# KiCad board SONATA-ONE.kicad_pcb (continued)
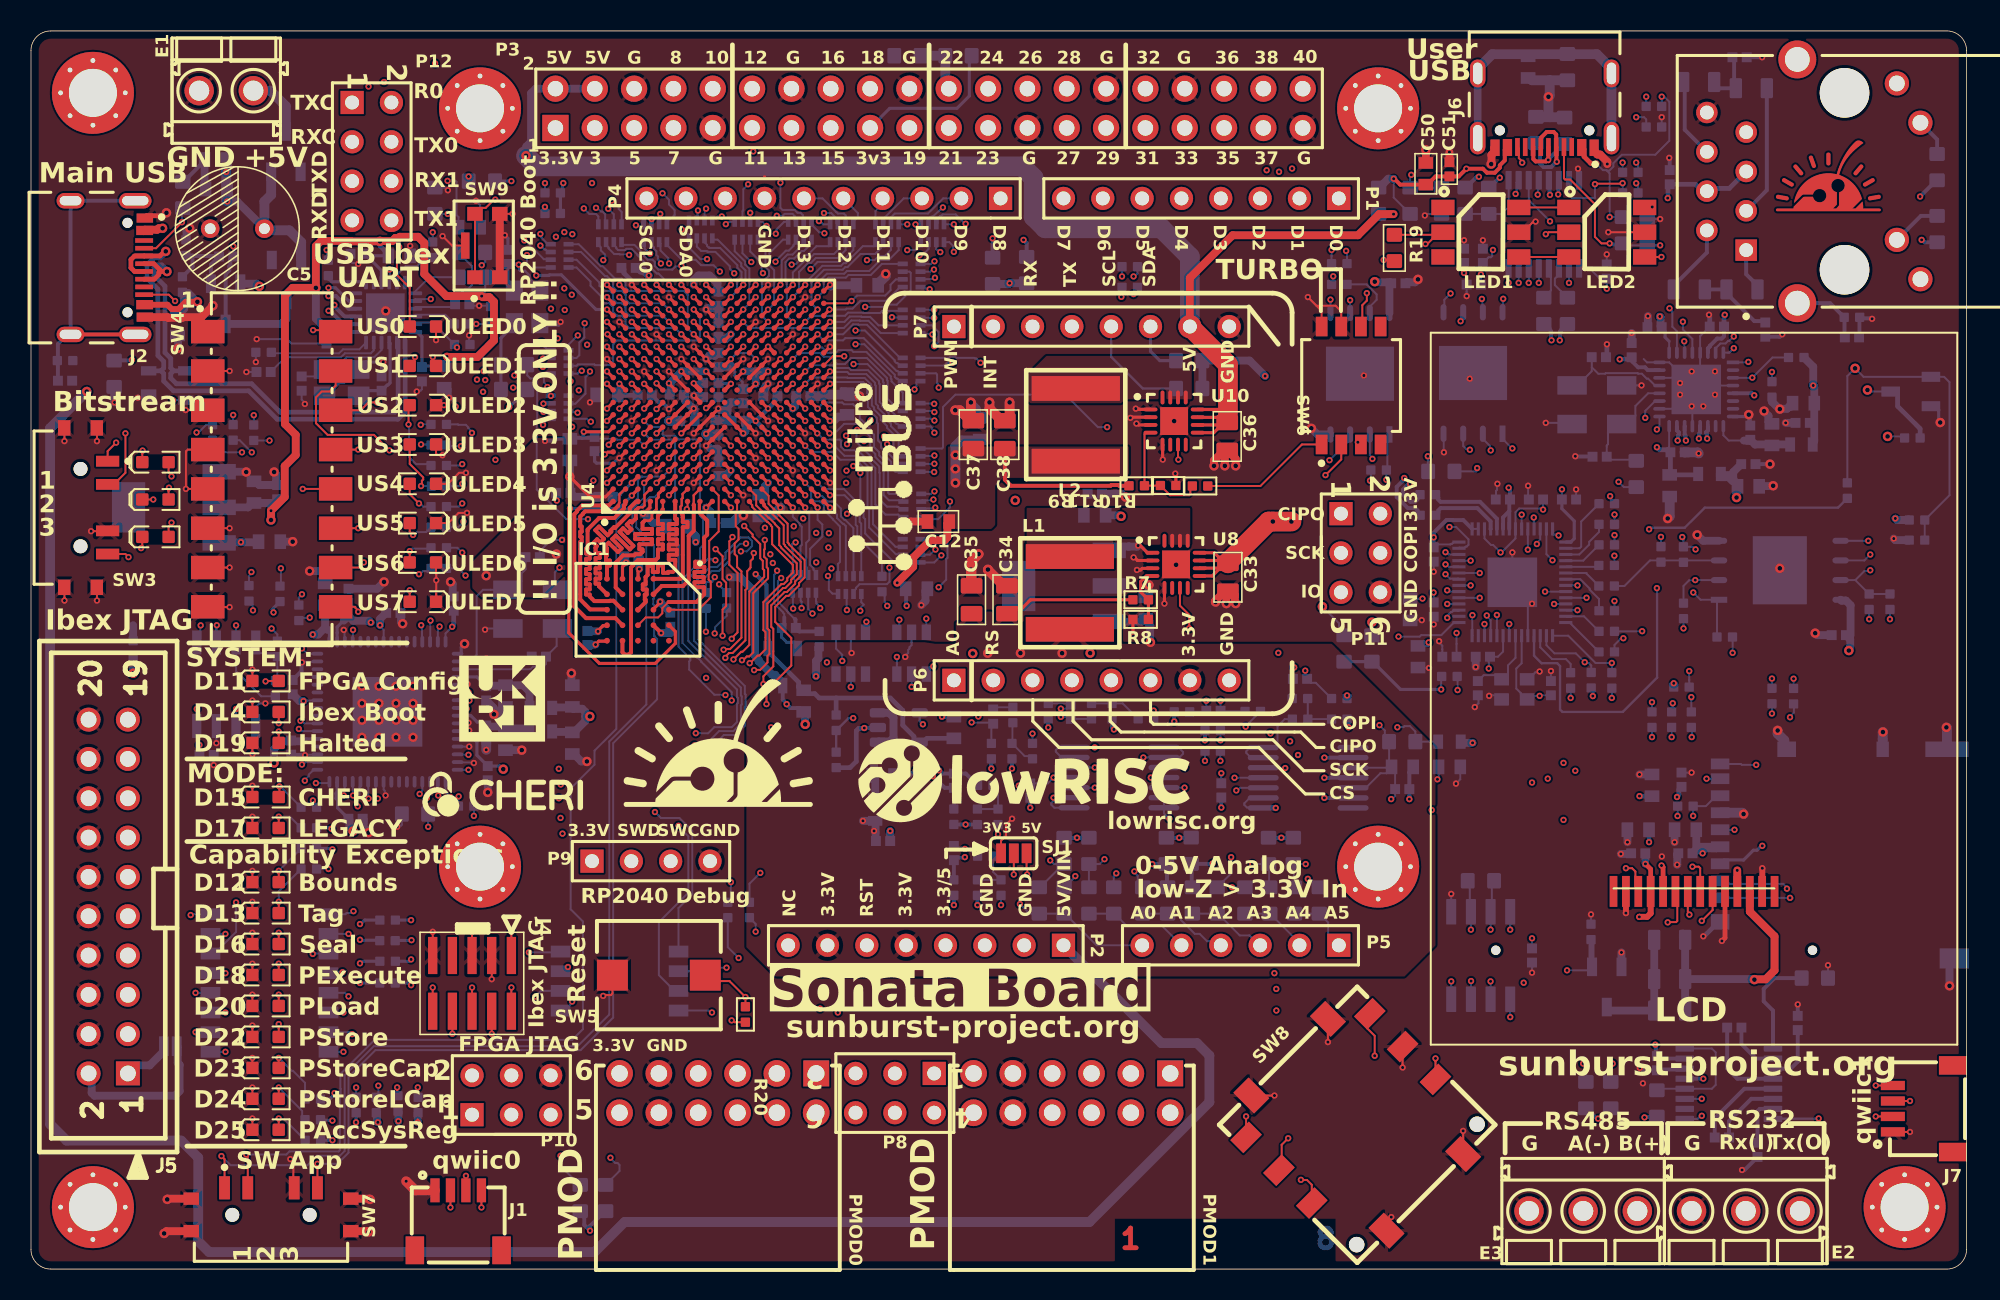
[diagram p0: board, top side]
## Routing (per net, layer and track width the routed paths; a pad name or vN(x,y) marks a point on that pad's centre or on a via; arc(x,y) is an arc through that point) (continued)
VCCOPAMP: length 52.5
  In3.Cu w0.508: v2(66.04,31.76) 69.6,31.76 70.18,31.17 73.74,31.17 74.26,31.69 74.61,31.69 74.96,32.04 v2(76.87,32.04) 78.9,32.04 ; 78.9,32.04 79.76,32.04 82.2,29.6 84.5,29.6 85.26,30.36 v2(87.84,30.36) ; 78.9,32.04 79.2,32.34 79.2,34.9 80.1,35.8 86.43,35.8 v2(87.08,35.14)
  Bottom w0.127: v2(77.73,31.74) U21.4 ; v2(87.08,35.14) 87.43,34.8 87.43,34.35 R82.2 87.71,32.61 C101.1 ; v2(63.79,31.23) 63.87,31.23 64.01,31.38 C97.1 65.66,31.38 v2(66.04,31.76) U20.4 ; v2(87.84,30.36) 87.91,30.36 88.1,30.55 88.1,32.22 C101.1 ; C101.1 87.86,32.35 87.55,32.04 87.15,32.04 86.2,31.09 U21.12 ; C101.1 87.81,32.39 U21.10 ; C99.1 v2(76.87,32.04)
VCCUSB3V3: length 167.4
  Top w0.508: v2(26.87,58.96) 26.9,58.93 28.83,58.93 29.9,60 29.9,62.5 29.6,62.8 29.18,62.8 v2(29.11,62.87) 26.83,62.87 25.4,64.3 25.4,66.3 25,66.7 23.82,66.7 23.75,66.63 23.54,66.63 23.33,66.42 22.56,66.42 v1(22.54,66.4) 20.69,66.4 20.67,66.43 18.73,66.43 18.4,66.1 v1(18.4,63.4) 16.9,63.4 16.4,62.9 16.4,54.6 17.1,53.9 17.1,52.6 16.39,51.89 16.39,49.89 v2(15.5,49) v1(15.5,48.4)
  In1.Cu w0.127: v1(22.54,66.4) 22.54,67.17 22.34,67.37 22.34,73.74 23.04,74.44 23.67,74.44 26.1,76.87 v2(26.1,77.9)
  In6.Cu w0.127: v2(93.39,51.76) 93.39,52.5 93.32,52.58 93.32,57.85 92.72,58.45 92.72,61.41 91.16,62.97 91.16,63.49 86.85,67.8 83.8,67.8 83.3,68.3 83.3,70.5 81.09,72.71 81.09,74.06 80.13,75.02 79.36,75.02 78.48,75.91 78.48,76.68 77.31,77.84 30.54,77.84 30.28,78.09 26.4,78.09 26.21,77.9 v2(26.1,77.9)
  In6.Cu w0.508: v2(29.11,62.87) v2(29.11,64.86)
  Bottom w0.127: v2(93.39,51.76) 93.34,51.71 93.34,51.54 R15.1 ; v2(29.11,62.87) 29.11,62.94 29.34,63.18 R18.1 ; R72.2 29.34,65.07 29.13,64.86 v2(29.11,64.86)
  Bottom w0.203: C44.1 19.26,60.55 U12.1 ; C42.1 25.32,58.35 C43.1 25.25,60.24 24.82,60.66 ; C46.1 21.68,65.47 ; 21.68,65.47 C45.1 ; 21.68,65.47 22.62,64.53 22.62,63.85 22.68,63.79 ; v2(26.87,58.96) 26.87,58.53 26.69,58.36
  Bottom w0.305: C45.1 23.09,65.57 22.54,66.12 v1(22.54,66.4)
  Bottom w0.508: R203.2 6.6,41.6 ; v1(15.5,48.4) 15.52,48.42 15.52,49.36 15.66,49.5 ; 15.66,49.5 C41.1 14.3,49.5 14.02,49.22 U2.2 ; 15.66,49.5 C40.1 ; v1(18.4,63.4) 18.4,61.41 C44.1
/AH_AN0: length 25.2
  In4.Cu w0.127: v2(63.87,23.59) 63.87,24.54 59.6,28.81 P6.1
  Bottom w0.127: P5.6 68.82,20.92 66.77,22.97 R77.1 R75.1 64.49,22.97 v2(63.87,23.59)
/AH_AN1: length 6.8
  Bottom w0.127: P5.5 73.05,22.17 70.77,22.17 69.97,22.97 R83.1 R84.1
/AH_AN2: length 6
  Bottom w0.127: P5.4 76.58,21.18 75.95,21.18 75.48,21.66 75.16,21.66 74.26,22.55 74.26,22.74 74.04,22.97 R91.1 R89.1
/AH_AN3: length 5.2
  Bottom w0.127: P5.3 79.32,20.92 78.69,21.56 78.06,21.56 76.66,22.97 R97.1 R98.1
/AH_AN4: length 4.6
  Bottom w0.127: 78.29,23.07 R104.1 R105.1 80.02,22.97 81.92,21.07 P5.2
/AH_AN5: length 4.2
  Bottom w0.127: R112.1 R111.1 83.23,22.97 83.61,22.58 83.61,22.56 83.77,22.39 83.77,21.61 P5.1
/Analog Conversion/ANALOG0_N: length 64.8
  Top w0.203: v2(38.8,52.4) U4.C5
  In1.Cu w0.127: v2(38.8,52.4) 39.19,52.79 39.19,54.96 38.96,55.19 36.04,55.19 35.59,54.75 35.43,54.75 35.36,54.82 34.78,54.82 34.76,54.79 34.44,54.79 33.8,54.16 32.76,54.16 29.99,51.39 29.99,37.92 33.57,34.34 34.4,34.34 34.43,34.37 34.93,34.37 35.36,33.94 35.66,33.94 38.74,30.86 56.04,30.86 60.29,26.61 v2(60.31,26.61)
  Bottom w0.254: v2(60.31,26.61) 60.28,26.58 59.76,26.58 C98.2 R81.2
/Analog Conversion/ANALOG0_P: length 61.1
  Top w0.203: v2(38.8,53.2) U4.C6
  In1.Cu w0.127: v2(38.8,53.2) 38.41,53.59 38.41,54.15 38.16,54.39 36.7,54.39 36.61,54.31 36.05,54.31 35.86,54.49 35.54,54.49 35.31,54.26 35.31,54.15 35.16,54.01 34.85,54.01 34.75,53.9 32.86,53.9 30.25,51.29 30.25,38.02 33.67,34.6 34.29,34.6 34.33,34.63 35.03,34.63 35.47,34.2 35.76,34.2 38.84,31.12 56.34,31.12 v2(60.31,27.15)
  Bottom w0.254: R79.2 60.67,27.15 v2(60.31,27.15) 60.28,27.18 59.76,27.18 C98.1
/Analog Conversion/ANALOG1_N: length 54.3
  Top w0.203: v2(38,53.2) U4.B6
  In1.Cu w0.127: v2(58.24,31.85) 57.32,31.85 57.1,31.63 39.05,31.63 35.97,34.7 35.68,34.7 35.24,35.14 34.12,35.14 34.08,35.1 33.88,35.1 30.75,38.23 30.75,49.29 34.17,52.71 34.28,52.71 35.06,53.5 35.39,53.5 35.43,53.45 35.97,53.45 36.01,53.5 36.06,53.5 36.22,53.65 37.55,53.65 v2(38,53.2)
  Bottom w0.254: R90.2 C103.2 59.01,31.09 58.26,31.85 v2(58.24,31.85)
/Analog Conversion/ANALOG1_P: length 55.8
  Top w0.203: v2(38,54) U4.B7
  In1.Cu w0.127: v2(58.63,32.22) 58.63,31.68 58.32,31.37 38.95,31.37 35.87,34.45 35.57,34.45 35.14,34.88 34.22,34.88 34.19,34.85 33.78,34.85 30.5,38.13 30.5,49.4 34.07,52.97 34.17,52.97 34.96,53.75 35.49,53.75 35.54,53.71 35.86,53.71 36.16,54 v2(38,54)
  Bottom w0.254: R86.2 60.37,32.01 C103.1 58.89,32.01 58.68,32.22 v2(58.63,32.22)
/Analog Conversion/ANALOG2_N: length 53.6
  Top w0.203: U4.A5 37.59,52.79 37.25,52.79
  In1.Cu w0.127: v2(37.05,52.64) 34.92,52.64 34.49,52.2 34.38,52.2 31.26,49.08 31.26,38.44 33.66,36.04 35.35,36.04 35.6,35.8 35.6,35.5 35.89,35.21 36.18,35.21 38.11,33.29 43.52,33.29 43.81,33.57 43.87,33.57 43.95,33.65 59.07,33.65 v2(60.75,35.32)
  Bottom w0.127: v2(60.75,35.32) 60.76,35.31 62.07,35.31 C104.2 62.02,35.12 R96.2
/Analog Conversion/ANALOG2_P: length 55.9
  Top w0.203: U4.A6 37.6,53.58 37.31,53.29 v2(37.31,53.26)
  In1.Cu w0.127: v2(61.18,35.7) 61.18,35.2 59.38,33.39 44.05,33.39 43.98,33.32 43.91,33.32 43.63,33.03 38,33.03 36.08,34.96 35.78,34.96 35.34,35.4 35.34,35.69 35.25,35.79 33.55,35.79 31.01,38.34 31.01,49.19 34.28,52.46 34.38,52.46 35.17,53.24 35.28,53.24 35.33,53.2 36.07,53.2 36.12,53.24 36.17,53.24 36.18,53.26 v2(37.31,53.26)
  Bottom w0.127: v2(61.18,35.7) 61.23,35.76 61.23,35.91 61.33,36.01 61.99,36.01 62.28,36.3 R93.2
/Analog Conversion/ANALOG3_N: length 46.8
  Top w0.203: v2(40.4,52.4) U4.E5
  In1.Cu w0.127: v2(75.9,36.72) 75.9,38.31 74.4,39.81 73.69,39.81 72.19,41.31 55.81,41.31 54.15,42.97 51.7,42.97 48.65,46.02 48.65,46.07 48.42,46.3 48.19,46.3 47.91,46.58 47.03,46.58 46.34,47.27 45.88,47.27 44.51,48.64 44.51,51.24 43.76,51.99 40.81,51.99 v2(40.4,52.4)
  Bottom w0.127: v2(75.9,36.72) C105.2 75.84,36.01 R103.2
/Analog Conversion/ANALOG3_P: length 48.9
  Top w0.203: v2(40.4,53.2) U4.E6
  In1.Cu w0.127: v2(40.4,53.2) 40.81,52.79 43.76,52.79 44.77,51.79 44.77,49.88 45.04,49.61 45.35,49.61 45.59,49.36 45.59,48.99 45.5,48.91 45.5,48.62 45.31,48.43 45.31,48.2 45.99,47.53 46.59,47.53 46.61,47.51 47.55,47.51 47.78,47.27 47.78,47.25 48.48,46.55 48.53,46.55 48.91,46.17 48.91,46.12 51.8,43.23 54.25,43.23 55.92,41.56 72.29,41.56 73.79,40.06 74.51,40.06 76.16,38.41 76.16,37.39 v2(76.82,36.72)
  Bottom w0.127: R100.2 76.86,36.04 C105.1 v2(76.82,36.72)
/Analog Conversion/ANALOG4_N: length 58.5
  Top w0.203: v2(38,51.6) U4.B4
  In1.Cu w0.127: v2(66.51,36.21) 66.13,36.59 56.47,36.59 54.8,38.26 51.22,38.26 50.86,37.91 50.54,37.91 50.18,38.26 49.88,38.26 49.16,37.54 47.96,37.54 47.57,37.15 47.03,37.15 46.64,37.54 46.22,37.54 46.03,37.74 44.58,37.74 44.2,37.36 44.2,37.29 43.73,36.82 40.79,36.82 40.7,36.91 36.6,36.91 36.51,36.82 35.22,36.82 35.09,36.7 34.35,36.7 34.22,36.82 33.94,36.82 32.57,38.19 32.57,38.67 31.77,39.48 31.77,48.87 34.59,51.7 34.7,51.7 34.99,51.99 37.61,51.99 v2(38,51.6)
  Bottom w0.127: v2(66.51,36.21) 66.9,36.21 C106.2 67.08,36.55 R110.2
/Analog Conversion/ANALOG4_P: length 61.1
  Top w0.203: v2(38.8,51.6) U4.C4
  In1.Cu w0.127: v2(38.8,51.6) 38.41,51.99 38.41,52.55 38.16,52.79 37.76,52.79 37.21,52.25 34.89,52.25 34.59,51.95 34.49,51.95 31.52,48.98 31.52,38.55 33.5,36.57 34.12,36.57 34.24,36.44 35.2,36.44 35.33,36.57 36.62,36.57 36.7,36.66 40.6,36.66 40.69,36.57 43.84,36.57 44.46,37.19 44.46,37.25 44.69,37.48 45.92,37.48 46.12,37.29 46.53,37.29 46.93,36.9 47.67,36.9 48.07,37.29 49.27,37.29 49.98,38.01 50.08,38.01 50.43,37.65 50.97,37.65 51.32,38.01 54.69,38.01 56.36,36.34 65.83,36.34 66.49,35.68 v2(66.51,35.68)
  Bottom w0.127: R107.2 67.16,35.55 C106.1 66.96,35.74 66.9,35.68 v2(66.51,35.68)
/Analog Conversion/ANALOG5_N: length 73.2
  Top w0.203: v2(37.2,50.8) U4.A3
  In1.Cu w0.127: v2(82.29,38.67) 82.29,38.7 82.03,38.96 82.03,39.06 81.82,39.27 79.94,39.27 77,36.33 73.18,36.33 72.4,37.1 56.83,37.1 55.16,38.77 51.15,38.77 50.97,38.95 50.43,38.95 50.25,38.77 49.67,38.77 48.95,38.05 47.6,38.05 47.46,38.19 47.11,38.19 46.97,38.05 46.43,38.05 46.24,38.25 44.35,38.25 43.7,37.59 43.7,37.5 43.52,37.33 41,37.33 40.91,37.42 36.39,37.42 36.3,37.33 35.01,37.33 34.88,37.2 34.56,37.2 34.43,37.33 34.15,37.33 33.08,38.4 33.08,43.47 32.68,43.88 32.68,48.93 33.88,50.14 34.94,50.14 36.15,51.35 36.65,51.35 v2(37.2,50.8)
  Bottom w0.127: v2(82.29,38.67) 82.29,38.26 82.67,37.88 82.98,37.88 R117.2
/Analog Conversion/ANALOG5_P: length 72.6
  Top w0.203: v2(37.2,51.6) U4.A4
  In1.Cu w0.127: v2(37.2,51.6) 35.9,51.6 34.69,50.39 33.78,50.39 32.02,48.64 32.02,39.58 32.83,38.78 32.83,38.29 34.05,37.08 34.33,37.08 34.45,36.95 34.99,36.95 35.12,37.08 36.41,37.08 36.49,37.16 40.81,37.16 40.9,37.08 43.63,37.08 43.95,37.4 43.95,37.46 44.48,37.99 46.13,37.99 46.33,37.8 46.74,37.8 47.14,37.41 47.46,37.41 47.86,37.8 49.06,37.8 49.77,38.52 50.36,38.52 50.54,38.69 50.86,38.69 51.04,38.52 55.05,38.52 56.72,36.85 72.3,36.85 73.07,36.07 78.78,36.07 v2(81.58,38.87)
  Bottom w0.127: R114.2 81.45,38.1 C107.1 81.49,38.61 81.52,38.64 81.52,38.82 v2(81.58,38.87)
/Analog Conversion/DIGITAL_ANALOG0: length 66.2
  Top w0.203: v2(42,59.6) U4.G13
  In4.Cu w0.127: v2(56.08,41.95) 56.08,42.9 54.86,44.12 47.62,44.12 47.4,43.9 44.66,43.9 44.61,43.85 44.28,43.85 44.23,43.9 43.6,43.9 43.32,44.18 43.32,48.92 43.19,49.05 43.19,54.65 42.41,55.44 42.41,55.76 42.42,55.77 42.42,57.03 42.41,57.04 42.41,59.08 42.15,59.33 42.15,59.37 42,59.52 v2(42,59.6)
  In6.Cu w0.127: v2(56.08,41.95) 56.4,41.63 68.12,41.63 70.95,38.8 70.95,38.67 71.11,38.52 71.11,35.83 72.23,34.7 72.23,33.58 72.49,33.33 72.49,32.48 70.39,30.39 70.39,26.86 70.19,26.66 70.19,26.43 69.6,25.84 69.37,25.84 68.92,25.39 v2(67.44,25.39)
  Bottom w0.127: v2(67.44,25.39) 67.44,25.37 66.75,24.67 R77.2 ; U22.4 56.08,41.31 v2(56.08,41.95)
/Analog Conversion/DIGITAL_ANALOG1: length 68.1
  Top w0.203: v2(39.6,60.4) U4.D14
  In4.Cu w0.127: v2(39.6,60.4) 39.99,60.01 41.04,60.01 41.05,59.99 41.36,59.99 41.61,59.75 41.61,56.92 42.16,56.37 42.16,55.88 42.15,55.87 42.15,55.33 42.41,55.08 42.41,50.64 42.54,50.51 42.54,49.47 42.75,49.26 42.75,48.94 42.54,48.73 42.54,44.43 43.37,43.6 44.17,43.6 44.17,43.6 44.71,43.6 44.72,43.6 47.5,43.6 47.76,43.86 53.99,43.86 54.91,42.95 54.91,42.69 55.14,42.46 55.14,42.34 55.92,41.56 57.4,41.56 57.82,41.98 v2(57.82,42.03)
  In6.Cu w0.127: v2(57.82,42.03) 57.87,41.98 68.14,41.98 71.21,38.91 71.21,38.77 71.36,38.62 71.36,35.93 73.44,33.85 73.44,31.8 72.1,30.46 72.1,27.58 v2(70.09,25.57)
  Bottom w0.127: v2(70.09,25.57) 69.92,25.4 R83.2 ; U22.6 v2(57.82,42.03)
/Analog Conversion/DIGITAL_ANALOG2: length 60.9
  Top w0.203: v2(38.8,60.4) U4.C14
  In3.Cu w0.127: v2(55.92,39.55) 55.92,39.14 58.97,36.09 59,36.09 59.23,35.86 59.23,35.83 62.42,32.64 62.42,32.05 64.26,30.2 64.7,30.2 64.84,30.06 65.91,30.06 68.47,27.51 68.47,26.79 69.22,26.03 70.18,26.03 70.52,25.7 v2(71.26,25.7)
  In4.Cu w0.127: v2(55.92,39.55) 55.92,39.63 55.7,39.85 55.7,39.98 54.89,40.79 54.89,42.35 54.46,42.78 54.46,42.91 53.76,43.61 47.89,43.61 47.59,43.31 43.3,43.31 41.96,44.65 41.96,50.09 41.69,50.36 41.69,50.55 41.59,50.65 41.59,56.43 41.44,56.58 41.29,56.58 40.81,57.07 40.81,57.21 40.8,57.22 40.8,58.29 40.68,58.41 39.44,58.41 39.19,58.65 39.19,58.96 38.96,59.19 38.59,59.19 38.41,59.38 38.41,60.01 v2(38.8,60.4)
  Bottom w0.127: v2(55.92,39.55) 55.92,39.1 U22.3 ; v2(71.26,25.7) 71.26,25.62 71.48,25.4 71.48,24.99 R89.2
/Analog Conversion/DIGITAL_ANALOG3: length 65.5
  Top w0.203: v2(38.8,55.6) U4.C9
  In3.Cu w0.127: v2(58.27,38.94) 58.28,38.94 58.73,38.94 58.77,38.98 60.43,38.98 61.2,38.21 61.2,37.65 61.57,37.28 61.57,35.66 65.59,31.64 65.59,31.57 65.92,31.25 65.99,31.25 70.63,26.61 v2(77.51,26.61)
  In4.Cu w0.127: v2(58.27,38.94) 56.77,38.94 56.63,38.81 51.24,38.81 50.86,39.18 50.86,39.39 49.28,40.97 48.92,40.97 48.32,41.57 48.32,41.58 47.73,42.16 43.01,42.16 35.42,49.76 35.42,52.77 36.23,53.58 36.23,54.27 36.64,54.68 36.64,54.8 37.04,55.19 37.35,55.19 37.59,55.44 37.59,55.75 37.84,55.99 38.41,55.99 v2(38.8,55.6)
  Bottom w0.127: R97.2 76.63,24.67 77.01,25.05 77.01,25.07 77.51,25.57 v2(77.51,26.61) ; v2(58.27,38.94) 58.2,38.94 58.14,38.88 58.06,38.88 58.06,38.8 57.82,38.57 U22.1
/Analog Conversion/DIGITAL_ANALOG4: length 62.5
  Top w0.203: v2(38,55.6) U4.B9
  In3.Cu w0.127: v2(52.39,39.29) 52.39,39.28 67.01,24.67 v2(77.57,24.67)
  In4.Cu w0.127: v2(52.39,39.29) 52.09,39.59 51.02,39.59 49.39,41.23 49.02,41.23 48.54,41.71 48.54,41.72 47.77,42.48 43.05,42.48 35.67,49.86 35.67,52.67 37.59,54.59 37.59,55.08 37.85,55.33 37.85,55.37 38,55.52 v2(38,55.6)
  Bottom w0.127: U23.4 51.99,40.08 52.39,39.69 52.39,39.3 v2(52.39,39.29) ; v2(77.57,24.67) R104.2
/Analog Conversion/DIGITAL_ANALOG5: length 81.9
  Top w0.203: v2(38,54.8) U4.B8
  In4.Cu w0.127: v2(38,54.8) 37.95,54.75 37.95,54.5 35.93,52.48 35.93,49.97 43.16,42.74 47.81,42.74 48.17,43.1 53.55,43.1 53.95,42.7 v2(53.95,41.82)
  In6.Cu w0.127: v2(53.95,41.82) 55.01,41.82 55.45,41.38 68.02,41.38 70.7,38.7 70.7,34.75 72.23,33.22 72.23,32.58 69.94,30.29 69.94,26.54 69.49,26.09 67.59,26.09 66.89,25.39 66.89,25.39 68.01,24.27 77.73,24.27 78.67,25.21 v2(82.46,25.21)
  Bottom w0.127: R111.2 83.13,24.67 82.63,25.16 82.51,25.16 v2(82.46,25.21) ; v2(53.95,41.82) 53.95,41.2 U23.6
/Debug USB and Power In/USB_N: length 35.9
  Top w0.305: J2.A7 6.69,64.46 6.46,64.69 6.46,65.23 6.69,65.46 J2.B7 7.31,65.46 8.33,65.46 8.62,65.76 v1(8.7,65.76)
  Bottom w0.305: 8.39,58.04 8.57,58.22 8.57,58.65 8.2,59.02 8.2,63.32 7.49,64.02 7.49,64.89 7.94,65.34 8.37,65.34 8.55,65.51 8.55,65.52 8.7,65.68 v1(8.7,65.76) ; 8.39,58.04 8.57,57.86 8.57,57.38 9.2,56.74 14.06,56.74 15.89,54.91 23.7,54.91 24.17,55.38 24.17,60.01 ; 8.39,58.04 U1.2
/Debug USB and Power In/USB_P: length 32.8
  Top w0.305: 8.32,64.46 v1(8.78,64.46) ; 8.32,64.46 8.32,64.57 7.93,64.96 7.31,64.96 J2.A6 ; 8.32,64.46 8.26,64.4 8.26,64.25 7.97,63.96 7.31,63.96 J2.B6
  Bottom w0.305: 9.21,58.04 9.03,57.86 9.03,57.56 9.39,57.2 14.25,57.2 16.08,55.37 23.51,55.37 23.71,55.57 23.71,60.01 ; 9.21,58.04 9.03,58.22 9.03,58.84 8.66,59.21 8.66,63.51 7.95,64.21 7.95,64.7 8.13,64.88 8.45,64.88 8.63,64.7 8.63,64.69 8.78,64.54 v1(8.78,64.46) ; 9.21,58.04 U1.3
/Debug USB and Power In/USB_VBUS: length 52.1
  Top w0.381: 7.2,62.42 7.31,62.31 8.81,62.31 9.09,62.03 9.52,62.03 9.99,62.5 v1(10.75,62.5)
  Top w0.508: v1(8.5,67.25) 8.25,67.25 8.16,67.16 7.36,67.16 7.26,67.06
  In1.Cu w0.127: v2(9.17,56.14) 9.17,58.9 9,59.07 9,61.75
  In1.Cu w0.508: v1(8.5,67.25) 7.5,66.25 7.5,62.75 8.5,61.75 9.99,61.75 10.74,62.5 v1(10.75,62.5) 11.75,63.5 v1(14.75,63.5)
  In4.Cu w0.127: v2(9.17,56.14) 14.41,56.14 19.33,61.07 v2(28.76,61.07)
  Bottom w0.127: R13.1 29.56,61.07 R12.2 ; U1.4 v2(9.17,56.14)
  Bottom w0.508: C1.1 9.57,61.73 9.89,62.05 9.89,63.01 9.83,63.07 10.15,63.07 10.72,62.5 v1(10.75,62.5) ; v1(14.75,63.5) 14.72,63.5 14.55,63.67 Q1.2
/Ethernet MAC/ETHAVCC: length 30.2
  In1.Cu w0.305: v2(105.7,69.2) 105.8,69.1 105.8,64.4 103.9,62.5 103.9,58.7 103.4,58.2 103.4,54.7 v2(105,53.1)
  Bottom w0.127: U6.16 105.79,53.12 105.7,53.03
  Bottom w0.305: 107.61,51.38 107.54,51.31 C126.1 105.88,51.36 C130.1 105.71,52.94 105.16,52.94 v2(105,53.1) ; J3.5 109.68,69.83 108.41,69.83 J3.4 107.94,69.65 107.49,70.09 C120.1 105.72,69.98 105.72,69.22 v2(105.7,69.2)
/Ethernet MAC/ETHCLK: length 94.3
  In3.Cu w0.127: v2(35.97,48.45) 38,46.43 38.22,46.43 38.9,45.75 38.9,45.07 40.23,43.74 40.33,43.74 40.37,43.77 40.9,43.77 40.94,43.74 41.97,43.74 42.27,43.44 42.27,43.34 43.54,42.07 43.64,42.07 43.8,41.91 46.65,41.91 47.61,40.95 48.5,40.95 49.41,40.05 50.54,40.05 51.07,40.58 57.24,40.58 57.44,40.78 60.73,40.78 69.94,49.99 69.94,50.19 72.7,52.95 73.04,52.95 76.07,55.97 99.22,55.97 102.53,52.67 v2(102.53,50.87)
  Bottom w0.127: R123.2 32.05,57.75 32.25,57.55 32.49,57.55 32.69,57.35 32.69,54.74 32.66,54.71 32.66,50.37 34.58,48.45 v2(35.97,48.45) ; R124.1 102.87,50.53 v2(102.53,50.87)
/Ethernet MAC/ETHMAC_CIPO: length 82.8
  Top w0.203: v2(39.6,51.6) U4.D4
  In3.Cu w0.127: v2(106.77,59.95) 105.11,58.29 88.79,58.29 87.72,57.22 73.77,57.22 71.91,55.36 71.91,55.32 71.8,55.22 71.8,54.2 68.93,51.33 68.93,50.41 61.67,43.15 57.8,43.15 57.66,43.29 57.34,43.29 57.2,43.15 56.81,43.15 56.72,43.25 49.68,43.25 49.51,43.07 44.08,43.07 44.06,43.09 43.96,43.09 43.29,43.76 43.29,43.86 40.01,47.14 40.01,51.19 v2(39.6,51.6)
  Bottom w0.127: v2(106.77,59.95) 106.78,59.93 106.78,59.22 U6.27
/Ethernet MAC/ETHMAC_COPI: length 89.7
  Top w0.203: v2(39.6,52.4) U4.D5
  In3.Cu w0.127: v2(109.97,60.26) 107.64,60.26 105.28,57.9 96.21,57.9 95.05,56.73 73.65,56.73 72.16,55.25 72.16,55.22 72.06,55.11 72.06,53.39 69.18,50.51 69.18,50.3 60.42,41.54 57.13,41.54 57.01,41.43 49.1,41.43 48.81,41.72 47.92,41.72 46.97,42.67 44.12,42.67 43.95,42.83 43.86,42.83 43.03,43.66 43.03,43.75 39.21,47.58 39.21,48.59 39.12,48.67 39.12,49.74 39.19,49.81 39.19,51.99 v2(39.6,52.4)
  Bottom w0.127: v2(109.97,60.26) 109.69,59.98 109.6,59.98 109.43,59.81 109.1,59.81 108.79,59.5 U6.31
/Ethernet MAC/ETHMAC_CS: length 87
  Top w0.203: v2(42.8,52.4) U4.H5
  In3.Cu w0.127: v2(42.8,52.4) 42.41,52.01 41.05,52.01 40.81,51.76 40.81,47.06 43.8,44.07 43.8,43.97 44.17,43.6 44.27,43.6 44.29,43.58 49.3,43.58 49.47,43.76 56.93,43.76 56.97,43.8 57.87,43.8 58.01,43.66 61.46,43.66 68.42,50.62 68.42,54.23 71.91,57.73 78.05,57.73 79.12,58.8 91.51,58.8 92.11,59.4 94.05,59.4 96.72,62.08 v2(105.82,62.08)
  Bottom w0.127: U6.26 106.29,60.6 106,60.89 106,61.86 105.82,62.05 v2(105.82,62.08)
/Ethernet MAC/ETHMAC_INTR: length 97.5
  Top w0.203: v2(42.8,53.2) U4.H6
  In3.Cu w0.127: v2(42.8,53.2) 42.41,52.81 38.65,52.81 38.41,52.56 38.41,48.02 42.78,43.65 42.78,43.55 43.75,42.58 43.85,42.58 44.01,42.42 46.86,42.42 47.82,41.46 48.71,41.46 49,41.17 57.12,41.17 57.23,41.29 60.52,41.29 69.43,50.2 69.43,50.4 72.31,53.28 72.31,55.01 72.42,55.11 72.42,55.15 73.75,56.48 95.16,56.48 96.32,57.64 106.66,57.64 106.71,57.6 v2(111.16,57.6)
  Bottom w0.127: R211.2 112.46,58.9 v2(111.16,57.6) 111.15,57.59 U6.3
/Ethernet MAC/ETHMAC_LED0: length 20.9
  In4.Cu w0.254: v2(110.91,58.61) 112.25,59.96 112.25,61.33 112.59,61.66 112.59,64.49 116.7,68.6 120.3,68.6 122.1,66.8 v2(122.1,66.5)
  Bottom w0.127: v2(110.91,58.61) 110.88,58.59 U6.1
  Bottom w0.254: R136.1 122.29,66.35 122.14,66.5 v2(122.1,66.5)
/Ethernet MAC/ETHMAC_LED1: length 21.2
  In4.Cu w0.254: v2(109.97,59.5) 111.53,61.07 111.53,64.75 116.78,70 121.3,70 v2(122,69.3)
  Bottom w0.127: v2(109.97,59.5) 109.68,59.22 109.61,59.22 109.6,59.21 U6.32
  Bottom w0.254: R137.1 123.05,70.35 v2(122,69.3)
/Ethernet MAC/ETHMAC_RST: length 91
  Top w0.203: v2(43.6,52.4) U4.J5
  In3.Cu w0.127: v2(43.6,52.4) 43.21,52.79 43.21,53.35 42.96,53.59 38.49,53.59 38.42,53.52 38.42,53.39 38.39,53.36 38.39,53.04 38.15,52.79 37.84,52.79 37.61,52.56 37.61,48.46 42.53,43.54 42.53,43.45 43.65,42.33 43.74,42.33 43.91,42.16 46.76,42.16 47.71,41.21 48.6,41.21 49.41,40.4 50.53,40.4 50.97,40.83 57.14,40.83 57.34,41.03 60.63,41.03 69.69,50.09 69.69,50.3 72.59,53.2 72.94,53.2 75.96,56.23 103.02,56.23 v2(104.25,55)
  Bottom w0.127: U6.19 104.88,56.09 104.25,55.45 v2(104.25,55)
/Ethernet MAC/ETHMAC_RX_N: length 28.8
  In1.Cu w0.254: J3.6 109.26,71.16 109.26,67.55 109.81,67 111.36,67 111.72,66.64 111.72,63.27 108.93,60.48 108.93,59.28 109.26,58.95 109.26,55.8 107.71,54.25 v2(107.71,53.66)
  Bottom w0.254: U6.12 107.79,54.46 107.79,54.04 107.74,53.99 107.74,53.69 v2(107.71,53.66) ; R204.2 106.8,76.6 106.8,73.62 J3.6
/Ethernet MAC/ETHMAC_RX_P: length 29.7
  In1.Cu w0.254: J3.3 110.46,68.38 109.94,68.9 109.64,68.9 109.64,67.71 109.97,67.38 111.52,67.38 112.1,66.8 112.1,63.11 109.31,60.32 109.31,59.44 109.64,59.11 109.64,55.64 108.25,54.25 v2(108.25,53.66)
  Bottom w0.254: J3.3 112.1,69.71 R198.2 ; U6.11 108.29,54.19 108.17,54.07 108.17,54.04 108.22,53.99 108.22,53.69 v2(108.25,53.66)
/Ethernet MAC/ETHMAC_SCLK: length 84.7
  Top w0.203: v2(40.4,50.8) U4.E3
  In3.Cu w0.127: v2(40.4,50.8) 40.4,47.11 43.54,43.97 43.54,43.87 44.07,43.34 44.17,43.34 44.18,43.32 49.4,43.32 49.58,43.5 56.82,43.5 56.91,43.41 57.09,43.41 57.23,43.55 57.77,43.55 57.91,43.41 61.57,43.41 68.67,50.51 68.67,51.43 69.05,51.81 69.05,54.5 71.22,56.68 72.08,56.68 72.87,57.47 78.15,57.47 79.23,58.55 91.62,58.55 92.22,59.15 98.89,59.15 98.91,59.18 105.58,59.18 106.19,59.78 106.19,60.72 v2(106.68,61.22)
  Bottom w0.127: U6.28 107.29,60.1 106.68,60.71 v2(106.68,61.22)
/Ethernet MAC/ETHMAC_TX_N: length 20.8
  In1.Cu w0.254: v2(106.34,53.53) 106.37,53.56 106.37,54.1 106.46,54.19 106.46,54.44 105.57,55.33 105.57,57.52 107.23,59.17 107.23,64.2 108.23,65.21 J3.2
  Bottom w0.254: v2(106.34,53.53) 106.37,53.56 106.37,53.87 106.42,53.92 106.42,54.07 106.29,54.19 U6.15 ; R197.2 106.1,63.55 108.23,65.68 J3.2
/Ethernet MAC/ETHMAC_TX_P: length 19.3
  In1.Cu w0.254: v2(106.87,53.53) 106.87,54.57 105.95,55.49 105.95,57.37 107.61,59.02 107.61,64.04 108.38,64.82 109.75,64.82 J3.1
  Bottom w0.254: R196.2 111.5,63.55 110.77,64.28 J3.1 ; U6.14 106.8,54.46 106.8,53.92 106.85,53.87 106.85,53.56 v2(106.87,53.53)
/FPGA Analog + 1.8V Bank/HYPERRAM_CK_N: length 8.5
  Top w0.152: U4.G2 42.08,50.08 42.08,49.82 42.02,49.76 42.02,49.34 41.95,49.27 41.95,48.86 42.03,48.78
  Top w0.254: IC1.B1 41.95,44.6 41.95,44.66 42.09,44.8 42.09,47.94 42.4,47.94 42.4,48.27 42.09,48.27 42.09,48.57 42.09,48.58 42.09,48.72 42.03,48.78
/FPGA Analog + 1.8V Bank/HYPERRAM_CK_P: length 8.9
  Top w0.152: U4.H2 42.8,50 42.8,49.4
  Top w0.254: IC1.B2 40.74,44.14 42.11,44.14 42.47,44.5 42.47,47.37 42.8,47.7 42.8,48.9 42.81,48.91 42.81,49.33 42.8,49.35 42.8,49.4
/FPGA Analog + 1.8V Bank/HYPERRAM_CS: length 10.5
  Top w0.127: U4.J2 44.41,49.99 44.41,47.66 43.8,47.05 43.8,44.91 43.76,44.87 43.76,44.55 43.9,44.41 43.9,43.4 43.1,42.6 IC1.A3
/FPGA Analog + 1.8V Bank/HYPERRAM_DQ0: length 12.4
  Top w0.254: U4.B1 38.38,49.58 38.38,49.42 38.3,49.34 38.3,49.15 37.68,48.53 36.7,48.53 35.95,47.78 35.95,46.56 35.85,46.56 35.85,46.23 36.08,46.23 36.08,45.9 35.85,45.9 35.85,45.57 36.08,45.57 36.08,45.24 35.85,45.24 35.85,44.91 36.08,44.91 36.08,44.58 35.85,44.58 35.85,44.25 36.08,44.25 36.08,43.92 35.85,43.92 35.85,43.59 36.08,43.59 36.08,43.46 36.38,43.16 37.38,43.16 37.41,43.18 37.62,43.18 IC1.D3
/FPGA Analog + 1.8V Bank/HYPERRAM_DQ1: length 12.8
  Top w0.178: 39.63,48.36 39.96,48.36 40.1,48.5 40.1,48.8 40.39,49.09 40.39,49.74 40.52,49.87 40.52,50.09
  Top w0.203: 40.52,50.09 40.8,50.37
  Top w0.254: 40.8,50.37 U4.E2 ; 39.63,48.36 39.49,48.22 39.49,47.83 40.11,47.83 40.11,47.5 39.02,47.5 39.02,47.17 40.11,47.17 40.11,46.84 39.29,46.84 39.29,46.51 39.49,46.51 39.49,46.34 39.35,46.19 39.04,46.19 38.96,46.12 38.24,46.12 37.76,45.64 37.76,44.04 IC1.D2
/FPGA Analog + 1.8V Bank/HYPERRAM_DQ2: length 15.2
  Top w0.127: 41.17,43.1 40.77,42.7 40.77,42.38 40.5,42.1 39.7,42.1 IC1.C4
  Top w0.203: U4.H1 43.17,49.57 43.17,49.38 43.17,49.38 43.17,48.87 43.24,48.8
  Top w0.254: 41.17,43.1 42.97,43.1 43.47,43.6 43.47,44.05 42.85,44.05 42.85,44.38 43.45,44.38 43.45,44.71 42.85,44.71 42.85,45.04 43.48,45.04 43.48,45.37 42.9,45.37 42.9,45.71 43.47,45.71 43.47,47.25 43.67,47.45 43.67,48.37 43.24,48.8
/FPGA Analog + 1.8V Bank/HYPERRAM_DQ3: length 12.5
  Top w0.254: U4.A1 37.57,49.6 37.32,49.34 35.61,49.34 35.27,49 35.27,48.95 35.09,48.77 35.09,42.82 35.85,42.06 37.74,42.06 IC1.D4
/FPGA Analog + 1.8V Bank/HYPERRAM_DQ4: length 14.6
  Top w0.152: U4.E1 40.81,49.59 40.81,49.1
  Top w0.254: 38.2,40.6 IC1.D5 38.2,39.85 38.35,39.7 38.6,39.7 38.75,39.85 38.75,45.33 38.89,45.47 38.89,45.5 39.2,45.81 40.34,45.81 40.49,45.96 40.49,46.49 40.81,46.49 40.81,46.83 40.49,46.83 40.49,47.16 40.81,47.16 40.81,47.49 40.49,47.49 40.49,47.82 40.81,47.82 40.81,48.15 40.49,48.15 40.49,48.68 40.78,48.97 40.78,49.07 40.81,49.1
/FPGA Analog + 1.8V Bank/HYPERRAM_DQ5: length 11.8
  Top w0.152: U4.B2 38.35,50.4 38,50.05 38,49.51 37.97,49.48 37.97,49.36 37.91,49.31
  Top w0.254: IC1.E3 37.18,42.62 36.12,42.62 35.47,43.27 35.47,46.99 35.57,46.99 35.57,47.32 35.47,47.32 35.47,47.65 35.57,47.65 35.57,47.98 35.47,47.98 35.47,48.61 35.65,48.79 35.65,48.81 35.8,48.96 37.57,48.96 37.91,49.31 37.91,49.31
/FPGA Analog + 1.8V Bank/HYPERRAM_DQ6: length 11.6
  Top w0.254: IC1.E2 36.69,44.11 36.69,44.29 36.46,44.29 36.46,44.62 36.76,44.62 36.76,44.95 36.46,44.95 36.46,45.28 36.73,45.28 36.73,45.61 36.46,45.61 36.46,45.94 36.73,45.94 36.73,46.27 36.56,46.27 36.46,46.37 36.46,46.63 36.54,46.71 36.33,46.93 36.56,47.16 36.78,46.94 37.01,47.18 36.45,47.74 36.68,47.98 37.24,47.41 37.48,47.64 37.42,47.7 37.65,47.94 37.71,47.88 38.68,48.84 38.68,49.18 39.08,49.58 39.18,49.58 U4.C1
/FPGA Analog + 1.8V Bank/HYPERRAM_DQ7: length 13
  Top w0.152: U4.D2 39.62,50.02 39.62,49.33 39.51,49.22 39.26,49.22 39.21,49.17
  Top w0.254: 39.21,49.17 39.06,49.02 39.06,48.5 39.06,48.5 38.8,48.24 38.71,48.33 38.47,48.1 38.78,47.79 38.55,47.56 38.24,47.87 38.01,47.63 38.91,46.73 38.67,46.5 37.77,47.4 37.54,47.17 38.14,46.56 37.91,46.33 37.31,46.93 37.07,46.7 37.2,46.57 37.2,46.11 37.14,46.11 37.14,45.78 37.38,45.78 37.38,45.45 37.2,45.45 IC1.E1